# KiCad board Rogelio Pineda - connect 7 AMLDC-2044B.kicad_pcb (continued)
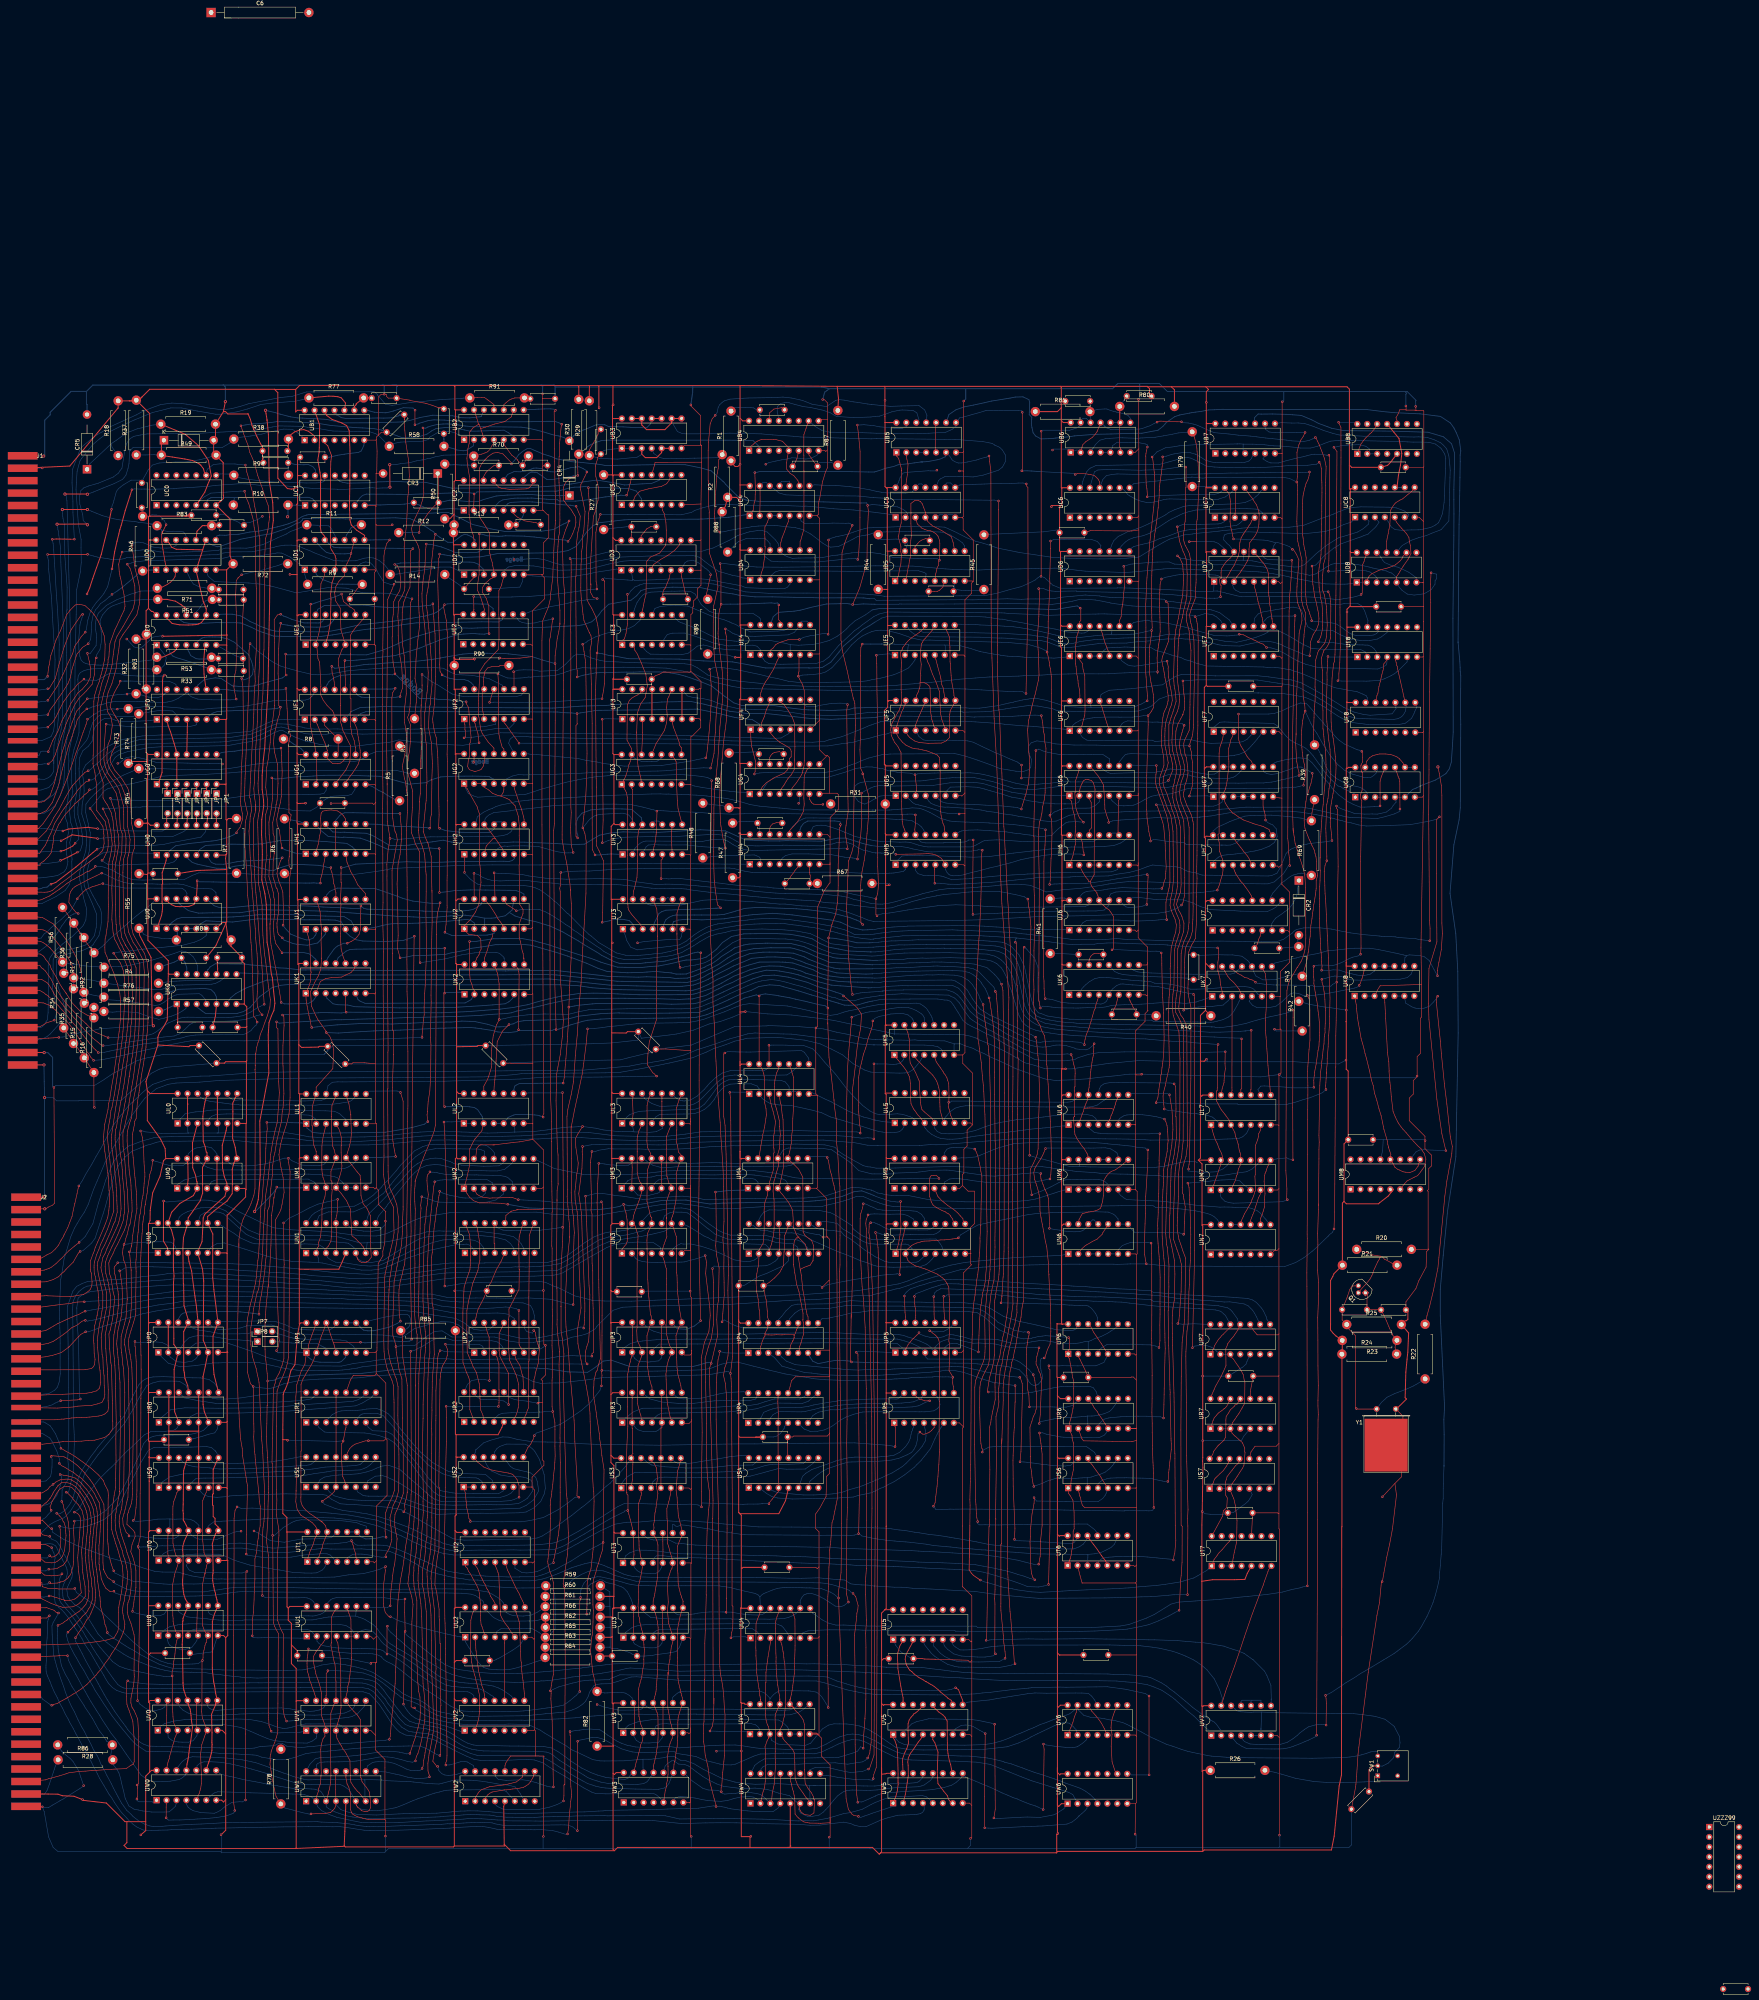
[diagram p0: board, top side]
## Routing (per net, layer and track width the routed paths; a pad name or vN(x,y) marks a point on that pad's centre or on a via; arc(x,y) is an arc through that point) (continued)
U5p2: length 17
  Top w0.2: UU5.2 300.25,88.08 299.84,87.36 299.37,85.74 299.23,84.73 299.36,82.82 299.37,81.63 300.11,77.18 300.37,75.73 300.7,74.16 300.7,73.55 UV5.15
U5p3: length 23
  Top w0.2: UU5.3 302.96,88 302.56,87.28 302.04,86.32 301.77,85.87 301.5,85.22 301.3,84.7 301.23,83.96 301.53,82.57 302.11,81.69 302.1,81.6 302.46,81.18 302.94,80.85 303.52,80.23 304.74,79.34 305.83,78.75 306.54,78.27 306.59,78.28 307.2,77.94 307.68,77.63 308.21,77.36 308.65,77.07 309.64,76.24 310.27,75.65 312.02,74.22 312.16,74.05 313.01,73.52 313.01,72.79 UV5.10
U5p4: length 526.7
  Top w0.15: v1(335.76,250.33) 335.55,251.5 335.45,251.98 335.36,252.25 335.51,282.51 335.24,294.59 335.55,297.86 335.87,298.56 336.04,299.78 336.18,300.12 336.29,301.43 336.39,301.85 336.54,302.56 336.75,303.47 336.88,304.23 336.99,305.33 336.99,305.95 337.2,316.7 336.94,318.16 336.75,320.3 336.56,320.98 336.35,323.35 336.1,324.55 v1(336.02,325.01) ; v1(331.64,265.88) 331.47,265.71 331.43,175.47 331.09,173.76 330.82,171.29 330.49,169.74 330.37,169.11 330.09,167.93 329.98,166.86 329.82,166.15 329.45,163.81 329.15,162.74 328.84,161.01 328.45,159.75 328.39,158.99 328.03,157.6 327.82,156.19 327.74,154.36 327.56,147.06 327.37,117.66 327.37,107.12 327.34,106.48 327.46,105.63 327.49,104.91 327.65,102.12 328.02,96.26 328.23,94.2 328.41,91.96 328.6,89.95 328.74,88 328.88,86.8 329.13,83.08 329.31,82.9 v1(329.31,82.86) 329.34,82.86 329.4,82.8
  Bottom w0.15: 293.84,324.6 294.86,324.81 296.14,324.92 308.7,324.8 311.06,324.76 313.68,324.74 314.99,324.79 317.21,324.75 319.01,324.64 319.06,324.69 326.35,324.75 328.58,324.83 330.1,324.94 330.9,324.97 332.27,325.07 334.4,325.14 335.28,325.1 v1(336.02,325.01) ; v1(331.64,265.88) 331.68,265.92 332.09,265.57 332.25,265.41 332.38,265.25 334.26,263.13 335.17,260.71 335.2,259.06 335.16,258.03 335.14,254.68 335.34,252.77 v1(335.76,250.33) 336.38,250.8 337.63,250.71 338.68,250.58 339.7,250.43 341.35,250.37 344.27,250.34 345.4,250.33 345.98,250.35 346.66,250.38 347.83,250.42 349.86,250.39 350.76,250.39 352.71,250.65 354.05,251.03 357.19,251.18 358.28,251.2 361.52,251.32 363.65,251.45 364.71,251.56 367.07,251.73 368.4,251.77 369.26,251.8 372.9,251.51 375.64,251.88 376.26,252.13 377.14,252.37 378.22,252.77 UK7.1 ; v1(329.31,82.86) 328.39,82.53 326.59,82.14 325.34,81.93 324.42,81.86 322.75,81.86 322.06,81.89 321.02,81.93 317.38,81.99 316.42,81.96 314.9,82.01 313.93,82.18 312.1,82.71 310.09,83.88 308.69,84.83 307.8,85.65 307.56,85.99 307.07,86.6 306.13,87.76 UU5.4
  Bottom w0.2: 294.02,324.61 292.82,324.5 284.11,324.15 282.32,324.06 276.99,324.28 265.67,325.56 261.42,325.58 260.62,325.59 256.43,326.12 252.69,327.18 249.94,327.92 246.42,328.63 239.08,328.49 235.93,328.25 230.51,328.07 224.67,327.61 218.67,327.45 211.15,326.94 176.5,327.2 167.82,327.33 161.97,327.07 159.81,326.11 UF1.5
U5p7: length 116.5
  Top w0.15: UV7.13 382.51,73.88 383.12,75.81 383.36,76.62 383.6,77.14 384.31,79.34 385.34,82.1 386.94,86.8 387.87,89.64 389.92,95.58 391.78,100.52 392.73,102.98 393,103.82 393.92,106.38 394.07,106.86 394.8,107.83
  Bottom w0.15: UV7.13 382.28,74.03 381.54,76.3 380.2,79.01 378.36,81.28 377.36,82.18 375.84,83.27 374.91,83.85 372.91,84.81 371.19,85.5 369.52,86.07 366.13,86.84 364.46,87.09 361.41,87.45 359.48,87.53 357.26,87.57 355.93,87.6 353.38,87.66 329.8,87.62 324.89,87.38 323.21,87.21 322.16,87.06 320.92,86.79 318.77,86.49 317.64,86.42 316.08,86.38 315.22,86.41 314.11,87.13 313.62,87.51 313.25,88.11 UU5.7
W0p01: length 363.1
  Top w0.15: v1(104.93,48.29) 104.93,48.64 105.09,48.83 105.08,51.09 105.15,51.17 v1(104.97,51.89) 105.28,52.21 105.28,62.74 105.41,64.28 105.14,68.73 104.57,70.1 104.19,70.95 103.9,71.43 103.67,71.77 103.38,72.87 103.4,73.99 104,77.05 104.18,78.23 104.25,79.53 104.23,80.08 104.19,81.16 104.31,89.18 104.2,90.29 103.4,93.24 103.05,94.07 102.74,94.88 102.45,96.06 102.59,98.03 102.65,98.44 102.97,99.36 103.28,100.92 103.53,103.44 103.45,106.3 103.43,107.03 103.27,108.04 103.18,108.95 102.88,109.87 102.42,111.19 102.26,111.79 102.07,112.58 101.7,113.6 100.94,115.88 100.82,116.4 100.67,117.14 100.42,118.75 100.39,119.28 100.45,120.5 100.93,122.22 101.05,122.81 101.22,124.39 101.45,125.89 101.56,127.77 101.83,152.09 101.5,158.32 101.34,159.19 101.03,162.43 ; 102.46,176.05 102.15,171.34 101.71,169.48 100.9,166.44 100.87,163.49 101.05,162.28 ; v1(103.69,368.83) 103.77,367.77 104.34,363.39 104.49,362.44 104.97,360.6 105.36,359.01 105.72,356.75 105.63,353.82 104.92,350.75 103.82,349.22 103.21,348.29 102.66,347.48 101.42,345.8 101.3,345.6 100.6,344.44 100.27,341.69 99.9,339.46 99.61,337 99.37,336.16 98.54,333.19 97.58,330.96 97.1,328.49 97.44,326 98.32,324.52 98.65,322.57 98.16,319.06 97.57,317.7 97.4,316.41 97.28,315.6 97.28,313.52 97.85,311.63 99.28,309.43 99.89,308.76 100.91,307.29 101.87,304.87 102.46,301.71 102.5,300.51 102.56,296.65 103.19,293.36 102.94,290.18 102.73,289.28 ; 102.46,175.79 102.33,179.7 102.11,184.48 101.58,185.89 101.24,187.8 101.38,188.91 v1(101.64,189.97) 101.78,190.11 102.07,191.42 102.41,192.4 102.96,194.8 103.18,195.16 103.65,198.12 103.7,198.48 103.66,200.65 103.65,201.17 103.45,203.87 103.42,204.89 103.33,206.4 103.26,206.58 102.94,208.99 102.87,209.99 102.7,212.43 102.69,212.99 102.49,215.27 102.42,216.37 102.44,217.78 102.5,218.84 103.06,220.95 103.53,222.26 103.92,226.23 104,226.74 104.69,230.16 104.86,231.09 105.11,232.83 105.83,236.92 106.22,240 106.37,241.23 106.55,244.74 106.62,245.94 106.79,258.93 106.83,259.43 106.57,262.42 104.85,265.86 103.98,267.09 102.8,269.74 102.61,271.01 102.53,271.87 102.51,287.09 102.49,287.19 102.6,288.68 102.76,289.43
  Bottom w0.15: UW0.1 109.45,48.02 108.93,47.5 108.81,47.62 105.45,47.62 105.15,47.82 v1(104.93,48.29) ; UD0.12 114.94,368.43 113.75,367.86 112.48,367.79 110.97,367.82 109.03,368.07 107.67,368.7 106.68,369.12 105.85,369.28 105.2,369.32 104.37,369.23 104.01,368.83 v1(103.69,368.83) ; UN0.3 114.75,189.34 114.32,190.07 113.65,190.53 112.66,190.57 111.01,190.65 110.03,190.62 108.06,190.54 104.37,190.44 103.44,190.2 102.66,190.07 v1(101.64,189.97)
W0p4: length 94.2
  Top w0.15: v1(133.04,106.46) 132.78,106.2 132.67,68.52 132.63,65.15 132.68,64.73 132.68,48.07 v1(132.69,48.06)
  Bottom w0.15: UW0.4 117.56,47.02 118.03,46.19 118.62,45.73 119.29,45.33 121.21,44.86 124.7,44.68 125.34,44.92 126.34,45.46 127.29,46.27 129.21,47.46 131.24,47.63 131.87,47.58 v1(132.69,48.06) ; UT0.4 117.54,107.89 118.21,106.91 118.31,106.78 119.7,106.18 131.78,106.04 v1(133.04,106.46)
W1p16: length 194.4
  Top w0.15: v1(177.71,202.14) 177.44,199.98 177.53,199.21 177.32,196.5 177.3,194.01 177.09,187.02 177.06,184.78 176.96,177.98 176.93,176.66 176.92,171.78 177.21,168.99 177.66,165.93 177.65,164.4 177.47,163.02 177.22,159.92 176.98,156.93 176.95,154.5 176.85,120.96 176.9,119.45 176.73,117.36 176.72,117.35 176.72,115.33 176.58,114.68 176.39,112.7 176.31,112.2 176.26,111.19 175.86,108.84 175.69,107.47 175.72,106.6 175.52,105.41 175.66,104.09 175.7,103.5 175.73,102.61 176.46,99.02 176.42,84.74 176.7,78.16 176.93,75.78 177.25,74.39 177.35,70.4 177.25,68.75 176.73,66.4 176.31,65.1 176.07,64.03 175.69,62.95 174.68,59.96 v1(174.68,59.95)
  Bottom w0.15: UW1.16 148.68,56.4 149.15,57.24 150.47,58.56 151.61,58.85 152.62,58.9 155.57,59.06 156.82,59.12 157.57,59.18 158.21,59.18 158.89,59.24 161.2,59.47 162.38,59.62 163.41,59.76 164.71,60 166.57,60.26 166.88,60.31 167.75,60.47 169.37,60.48 170.59,60.46 171.96,60.3 171.99,60.26 172.9,60.09 173.87,59.84 v1(174.68,59.95) ; v1(177.71,202.14) 178.43,201.89 178.8,201.77 179.1,201.7 179.71,201.49 180.33,201.26 180.73,201.08 181.57,200.85 182.11,200.76 184.14,200.71 184.71,200.71 185.36,200.71 189.54,200.68 189.93,200.67 192.77,200.65 194.37,200.76 196.64,201.3 198.64,202.86 UM2.5
W2p9: length 16.5
  Top w0.15: UW2.3 194.03,48.64 194.51,49.33 195.1,49.8 195.69,50.1 198.84,50.67 199.35,50.65 200.27,50.78 200.93,50.88 202.24,50.98 203.72,51.31 204.25,51.61 205.06,52.15 205.45,52.68 206.06,53.69 206.27,54.09 206.36,55.15 UW2.9
W2p10: length 16.4
  Top w0.15: UW2.2 191.42,48.66 192.12,49.85 192.4,50.22 192.97,50.72 194.35,51.19 195.1,51.48 199.1,51.98 200.02,52.2 201.87,52.67 203.51,53.96 203.58,54.91 UW2.10
WALLOUT: length 142.4
  Top w0.15: 92.72,308.57 v1(92.69,308.57) 92.72,308.32 91.95,308.15 90.85,307.12 89.72,305.92 89.45,305.4 88.67,304.33 87.13,302.31 86.36,301.37 85.61,300.27 85.08,299.39 84.66,298.71 83.91,297.5 82.95,295.01 82.42,293.94 82.11,293.17 81.53,291.93 80.69,290.78 80.04,289.77 J1.65
  Bottom w0.15: UF2.6 201.28,323 199.96,321.68 196.43,321.68 194.16,321.32 187.1,320.93 179.1,320.58 174.48,320.53 162.54,320.29 158.02,320.57 155.07,320.59 153.15,320.2 151.56,320.12 147.88,320.41 146.54,320.84 144.8,321.23 143.63,321.67 141.82,322.11 140.65,321.94 139.51,321.51 136.62,320.17 134.19,319.23 132.55,319 131.32,318.82 128.88,318.54 128.09,318.41 126.34,318.28 124.71,318.25 111.24,317.93 110.09,317.84 107.25,317.78 104.55,317.42 101.01,316.49 99.11,315.46 98.5,314.76 96.37,311.92 95.59,310.86 95.2,310.25 94.42,309.41 93.98,308.88 93.33,308.57 v1(92.69,308.57)
WB6: length 293.6
  Bottom w0.15: UK5.4 305.42,237.45 305.16,236.93 304.37,235.87 303.85,235.25 303.25,234.59 302.18,233.95 301.16,233.75 299.83,233.71 293.55,233.86 292.42,233.99 290.76,234.53 289.19,235.48 288,236.07 285.2,238.39 282.32,239.87 279.48,241.19 275.54,242.14 268.7,242.84 260.7,242.61 259.89,242.37 257.69,241.88 255.57,241.06 252.22,239.94 250.37,239.05 248.68,238.4 247.04,237.68 243.46,236.84 240.97,236.29 236.05,235.28 232.98,234.71 228.47,233.93 224.69,233.79 218.9,233.73 216.36,233.72 203.16,233.56 200.92,233.28 196.93,232.98 193.77,232.75 173.72,232.57 171.41,232.52 162.85,232.52 145.01,232.4 125.96,231.84 120.97,231.4 114.9,231.18 112.89,230.84 109.9,229.76 107.02,227.36 106.17,226.31 103.41,222.56 102.41,220.81 100.67,217.88 99.78,216.29 96.82,211 95.94,208.85 94.75,206.11 93.83,203.94 93.3,202.44 92.48,200.14 91.48,198.16 90.49,196.69 89.62,195.21 88.99,194.14 88,191.87 86.96,188.4 86.32,186.25 85.92,183.56 85.45,180.93 85.12,173.13 85.21,170.93 85.23,168.51 85.29,167.36 85.32,164.75 85.3,158.63 85.34,156.91 85.06,154.84 84.62,153.51 83.94,152.74 82.39,151.85 80.72,151.69 J2.34
WL: length 332
  Top w0.15: v1(85.45,150.05) 89.7,150.25 v1(90.48,150.47) ; v1(216.39,174.59) 216.46,174.65 216.46,183.97 216.47,187.09 216.63,192.2 216.7,192.88 216.49,196.05 216.52,196.55 216.2,198.66 216.01,201.17 215.89,203.21 216.06,208.55 215.94,211.79 215.88,220.16 ; v1(220.07,245.02) 219.79,242 219.7,241.12 219.09,236.21 218.7,233.4 217.46,227.58 216.75,224.32 215.88,219.79
  Bottom w0.15: 89.58,173.68 89.55,173.7 89.92,176.28 90.83,176.97 90.83,176.98 92.95,177.87 98.12,178.55 103.82,178.91 109.96,179.38 114.29,179.63 134.94,179.2 136.67,179.22 137.53,179.14 144.3,178.74 146.21,178.64 153.28,178.35 153.87,178.29 158.91,178.06 160.09,178.02 160.81,177.92 170.98,177.6 172.81,177.38 180.13,177.28 184.14,176.45 189.95,176.24 191.45,176.28 196.83,176.26 199.04,176.2 204.97,176.29 210.55,175.96 212.42,175.51 213.51,175.15 214.85,174.85 216.02,174.59 v1(216.39,174.59) ; 89.58,173.68 89.6,170.7 90.01,165.27 90.26,151.18 90.38,150.94 v1(90.48,150.47) ; 89.58,173.68 89.58,173.74 ; v1(220.07,245.02) 221.75,245.12 223.78,245.32 225.66,245.62 227.34,245.75 230.47,246.11 232.66,246.32 234.66,246.36 235.88,246.45 242.95,246.56 244.49,246.68 246.14,246.68 248.22,247.06 249.74,247.45 252.61,248.52 255,249.35 257.8,250.55 259.66,251.17 261.37,251.45 263.6,251.33 264.77,251.24 271.1,250.86 275.08,250.03 276.88,249.62 278.38,249.21 279.65,248.92 282.11,248.46 283.84,248.71 285.49,249.27 286.78,249.61 288.62,249.96 291.36,250.63 293.14,250.98 294.32,251.17 296.86,251.44 297.9,251.43 300.96,251.51 302.58,251.54 304.14,251.57 305.09,251.38 305.77,250.96 306.68,250.24 307.39,249.15 307.84,248.4 308.1,247.81 UK5.10 ; v1(85.45,150.05) 84.73,149.73 84,149.43 83.32,149.01 82.59,148.76 81.79,148.57 80.51,148.38 J2.36
XMT DCHP: length 40.1
  Top w0.15: UF1.4 155.23,325.67 154.9,326.23 154.84,326.33 154.44,326.69 153.52,327.61 152.53,328.96 151.78,330.54 151.84,332.35 151.94,332.45 151.61,338.66 151.18,339.55 150.89,342.84 UE1.2 151.38,345.84 151.91,348.6 151.88,353.01 151.84,356 151.94,358.66 152.92,360.99 UD1.3
XMT_SELECT: length 151.5
  Top w0.15: 335.94,156.02 336.09,155.22 335.74,146.56 ; 335.96,155.99 335.8,156.8 335.43,157.53 335.09,158.55 334.68,159.4 334.68,160 334.86,161.24 335.08,162.05 v1(335.43,163.55) ; 335.76,146.52 v1(335.49,144.22)
  Bottom w0.15: 347.79,146.13 347.28,146.02 346.28,145.96 344.68,145.82 344.09,145.82 343.56,145.76 342.54,145.79 341.92,145.8 340.03,145.55 339.05,145.36 337.03,144.94 335.79,144.7 v1(335.49,144.22) ; 347.79,146.13 348.95,146.13 ; 347.79,146.13 UR6.3 ; UR6.9 355.31,149.84 355.14,149.38 354.95,149.03 354.75,148.8 354.5,148.47 353.95,147.76 353.35,147.24 352.06,146.72 350.71,146.38 349.5,146.16 348.95,146.13 ; v1(335.43,163.55) 335.4,163.55 334.51,163.63 328.59,163.63 327.7,163.75 327.15,163.85 325.57,164.18 324.64,164.46 323.94,164.55 320.14,164.78 318.68,164.71 316.1,165.24 314.59,165.71 313.91,165.79 312.61,165.89 311.37,165.49 310.41,165.15 309.71,164.6 308.89,163.78 UP5.5 308.06,163.21 307.75,163.73 306.79,164.45 304.99,165.28 303.29,165.92 301.93,166.31 300.72,166.75 299.96,166.86 299.63,166.92 298.67,166.92 291.59,166.99 280.88,167.5 259.27,167.04 239.11,167.15 237,167.79 235.77,168.34 UP3.12 ; 348.95,146.13 348.97,146.15
~{DATA0}: length 316.8
  Top w0.15: v1(85.72,124.32) 86.1,123.46 86.32,122.36 87.21,119.97 87.38,119.07 87.66,116.54 87.76,115.97 87.69,115.53 87.74,114.44 87.72,113.42 87.62,111.55 87.22,110.19 86.96,109.17 86.09,108.06 84.95,107.46 84.69,107.28 83.78,107.08 v1(82.41,107.01) ; UR3.8 243.89,153.96 243.13,156.87 243.06,157.88 242.93,158.38 242.85,161 242.67,166.65 243.24,168.39 UP3.8 243.58,173.37 243.34,175.29 243,178.48 242.98,180.31 242.92,182.1 242.82,182.82 242.81,186.36 242.74,187.23 242.76,191.94 242.01,194.21 UN3.9 241.56,196.66 241.76,197.19 242.01,197.93 242.67,201.23 242.76,203.97 242.77,205.56 242.73,206.79 242.76,207.59 242.71,208.01 243.27,209.93 UM3.8 244.06,212.71 243.31,213.55 243.04,215.25 242.73,216.23 242.8,217.89 242.83,219.14 242.88,219.19 242.83,224.9 243.43,226.83 UL3.8
  Bottom w0.15: UN3.9 241.26,194.41 240.51,193.74 240.16,193.58 239.57,193.3 237.19,192.72 236.21,192.49 233.85,192.01 232.07,191.75 227.84,191.13 225.89,190.8 223.31,189.73 221.14,188.55 219.24,187.42 217.69,186.33 216.34,185.37 215.68,185.02 212.29,183.31 204.18,183.02 187.57,182.75 184.03,182.68 182.65,182.56 180.73,182.28 178.51,181.99 177.77,181.81 174.43,181.18 172.53,180.91 168.09,180.32 166.37,180.11 163.49,179.92 162.07,179.85 159.28,179.98 158.5,180.06 157.56,180.16 153.95,180.46 153.24,180.55 152.09,180.67 149.49,180.81 148.05,181.01 142.48,181.47 140.93,181.62 131.28,182 127.67,182.28 118.1,182.65 117.35,182.65 116.18,182.65 112.64,182.47 111.56,182.28 106.26,181.71 104.86,181.49 99.96,181 96.14,180.83 92.32,180.49 90.94,179.98 89.54,179.25 88.57,178.04 87.2,174.2 87.4,160.75 87.42,153.34 87.53,147.26 87.52,141.53 87.3,136.15 87.25,135.47 87.38,133.86 87.38,130.04 85.8,127.21 85.79,125.94 v1(85.72,124.32) ; v1(82.41,107.01) 82.04,106.83 81.5,106.56 J2.62
~{DATA1}: length 330.2
  Top w0.15: 90.69,98.76 90.3,98.39 89.76,97.96 88.52,97.41 85.98,97.26 84.25,97.81 83.05,98.25 80.72,99.41 79.71,100.42 J2.65 ; 86.91,126.61 v1(86.88,126.68) 87.07,126.61 88.41,125.26 88.7,124.85 88.88,124.55 89.89,123.57 90.88,122.04 91.41,119.95 91.34,117.79 91.33,116.71 91.3,116.24 91.12,114.98 91.04,113.84 90.83,112.12 90.81,111.28 90.91,109.7 90.96,107.87 91.06,106.94 91.11,106.08 91.33,104.69 91.69,102.59 91.73,100.07 90.75,98.77 ; UR3.6 241.68,144.52 241.27,145.67 241.15,146.03 240.51,149.19 240.4,150.24 240.28,151.58 240.15,155.47 240.1,156.83 240.37,158.94 240.75,160.46 UP3.6 241.62,163.09 241.07,164.08 240.54,165.87 240.28,166.9 240.11,169.46 240.19,169.88 240.25,179.62 240.29,181.34 240.21,183.72 239.92,184.56 239.75,185.52 239.45,186.31 UN3.5 239.36,189.14 239.61,189.93 239.91,190.79 240.27,191.71 240.34,191.95 240.25,193 240.21,194.99 240.28,196.89 240.28,196.53 240.26,200.96 240.89,202.81 UM3.6 241.52,205.15 240.88,205.59 240.37,207.35 240.34,207.38 240.27,210.1 240.18,211.15 240.28,212.81 240.22,214.39 240.21,217.42 240.97,219.39 UL3.6
  Bottom w0.15: UN3.5 238.68,189.23 236.92,190.41 232.98,190.55 231.67,190.5 230.45,190.38 226.81,189.86 224.96,189.15 221.04,186.95 219.38,185.97 217.87,185.13 213.4,182.53 211.49,182.12 210.55,182.06 206.4,181.86 202.19,181.8 189.05,181.5 187.18,181.52 182.51,181.06 179.17,180.55 172.87,179.66 167.85,178.98 164.8,178.95 164.01,178.9 161.71,178.84 158.36,178.92 151.87,179.63 143.78,180.03 134.26,180.68 126.55,181.09 124.84,181.21 114.29,181.18 113.36,181.03 112.06,180.89 108.76,180.68 107.52,180.59 105.96,180.45 103.73,180.27 102.26,180.12 97.82,179.79 94.3,179.56 92.16,179.29 91.25,178.83 90.47,178.23 90.03,177.82 89.48,177.11 89.1,176.45 88.78,175.73 88.6,175.17 88.5,173.33 88.54,172.36 88.65,158.82 88.69,145.82 88.91,141.34 88.92,138.78 88.67,131.72 87.47,126.68 v1(86.88,126.68)
~{DATA2}: length 345.8
  Top w0.15: UR3.11 236.54,153.56 236.34,154.04 235.99,155.3 235.7,156.72 235.41,158.65 235.31,159.84 235.26,166.61 235.9,168.96 UP3.11 236.33,171.69 236.16,172.02 235.73,176.53 235.6,177.34 235.51,180.11 235.45,180.99 235.34,186.01 235.25,191.05 235.39,192.71 UN3.11 236.48,196.75 236.15,197.17 235.69,199.27 235.26,200.98 235.3,206.8 235.34,207.45 235.34,208.83 235.97,210.72 UM3.11 236.22,212.14 236.22,213.13 235.38,214.7 235.24,216.37 235.27,218.13 235.28,225.41 235.6,226.92 235.9,227.77 UL3.11 ; 83.67,72.46 83.5,72.29 v1(83.15,72.27) 83.13,72.29 ; 83.67,72.46 84.72,72.78 85.05,73.04 86.67,73.9 86.96,74.07 87.31,74.29 87.69,74.49 88.59,75.1 89.17,75.39 90.05,75.98 90.69,76.42 92.15,77.58 94.5,79.98 95,80.63 95.9,81.64 96.91,83.14 97.91,84.45 98.4,85.34 99.49,86.91 100.16,88.11 101.02,89.82 101.45,90.97 101.52,91.04 101.76,92.02 101.74,92.27 101.85,92.97 101.44,95.11 101.36,95.61 101.2,96.4 101.45,98.14 101.69,98.89 101.88,100.28 102.04,100.83 102.16,101.38 102.28,101.96 102.3,102.58 102.41,103.22 102.51,105.04 102.5,105.71 102.47,106.39 102.31,107.52 102.08,108.51 101.82,109.59 101.45,110.44 101.18,111.76 100.82,112.7 100.46,113.89 100.07,114.92 99.49,117 99.42,118.12 99.35,119.42 99.43,120.14 99.4,120.67 99.63,121.64 99.63,122.23 99.89,123.27 100.19,125.09 100.43,126.22 100.48,126.94 ; 83.67,72.46 83.54,72.33 ; 100.48,126.94 100.49,127.58 100.74,146.02 100.66,146.1 100.6,154.79 100.54,155.61 100.33,158.39 100.29,159.3 100.11,161.06 99.99,162.37 99.89,163.16 99.88,163.44 99.76,164.53 99.81,165.34 100.08,167.96 100.9,171.56 101.07,173.3 101.17,174.45 101.23,176.2 101.13,179.23 100.75,182.02 v1(100.52,183.22) ; 100.48,126.94 100.47,126.76
  Bottom w0.15: v1(83.15,72.27) 82.56,72.57 80.82,73.83 80.02,75.02 J2.82 ; v1(100.52,183.22) 100.76,183.22 101.93,184 105.94,184.24 106.48,184.28 108.85,184.25 109.22,184.23 115.61,184.06 117.58,183.98 121.54,183.89 123.41,183.78 127.37,183.63 127.79,183.62 132.04,183.27 134.44,183.18 139.74,182.79 141.19,182.76 143.52,182.59 147.79,182.26 149.54,182 157.23,181.49 159.24,181.3 164.74,181.18 165.82,181.3 168.16,181.6 169.68,181.88 172.4,182.22 173.88,182.44 176.45,182.79 180.95,183.37 185.13,183.99 187.63,184.06 191.95,184.04 193.02,184.04 197.48,184.04 200.59,184.13 201.66,184.23 202.07,184.2 202.83,184.23 203.59,184.24 204.31,184.18 204.84,184.2 206.39,184.3 207.73,184.29 208.44,184.42 210.21,184.55 211.42,184.82 212.66,184.98 213.36,185.16 215.27,186.23 215.74,186.48 216.6,187.03 218.46,188.34 220.13,189.31 222.95,191.08 225.49,191.87 227.05,192.03 230.11,192.39 234.15,193.43 235.47,194.14 UN3.11
~{DATA3}: length 333.4
  Top w0.15: UL3.3 233.97,220.85 233.54,219.69 233.2,218.98 232.82,217.59 232.75,216.83 232.76,213.63 ; 100.09,185.29 v1(100.02,185.29) 99.65,184.79 99.51,184.62 99.24,184.31 99.1,183.9 99.24,182.48 99.34,182.16 99.5,181.39 99.74,180.12 99.78,179.8 99.91,179.02 100.11,177.96 100.16,177.24 100.16,174.87 100.18,174.41 100.13,173.67 99.95,171.87 99.87,171.24 99.65,169.96 99.6,169.76 99.39,169.11 99.25,167.71 99.19,167.48 99.04,166.86 98.88,163.52 98.93,162.76 99.16,160.87 99.17,160.04 99.29,159.09 99.51,154.47 99.46,153.71 99.47,153.11 99.65,144.56 99.63,144.35 99.54,140.29 99.59,134.8 99.55,133.73 99.49,130.14 99.45,129.76 99.51,128 99.11,125.87 98.96,124.68 98.58,122.5 98.48,120.36 98.48,120.06 98.4,119.46 98.41,119 98.5,117.11 98.71,116.19 99.16,114.8 99.49,113.65 100.07,111.96 100.52,110.27 100.91,108.98 101.22,107.83 101.39,105.54 101.33,104.18 101.01,101.24 100.78,100.14 100.63,99.1 100.4,98.1 100.28,97.17 100.27,95.98 100.29,93.38 100.31,92.39 100.04,91.1 99.07,89.46 97.13,88.9 95.32,88.57 91.76,88.15 89.33,87.96 83.83,87.78 81.4,87.68 J2.73 ; UR3.3 233.67,146.38 233.55,146.63 233.05,148.39 232.86,149.29 232.79,150.39 232.76,151.76 232.82,154.24 232.79,155.35 232.99,159.1 233.9,161.42 UP3.3 233.49,163.89 232.75,165.48 232.64,167.88 232.73,168.88 232.74,169.93 232.73,170.35 232.73,176.58 232.7,176.61 232.77,187.23 232.86,189.67 232.93,191.14 232.98,192.26 232.19,194.78 UN3.13 231.53,195.4 231.82,197.22 232.05,198.01 232.82,200.04 233.21,201.07 233.94,203.4 233.9,203.44 UM3.3 233.77,205.61 233.43,205.94 233.04,207.02 232.76,208.37 232.76,213.78